# KiCad board GPDI_ULX3S_panel.kicad_pcb (continued)
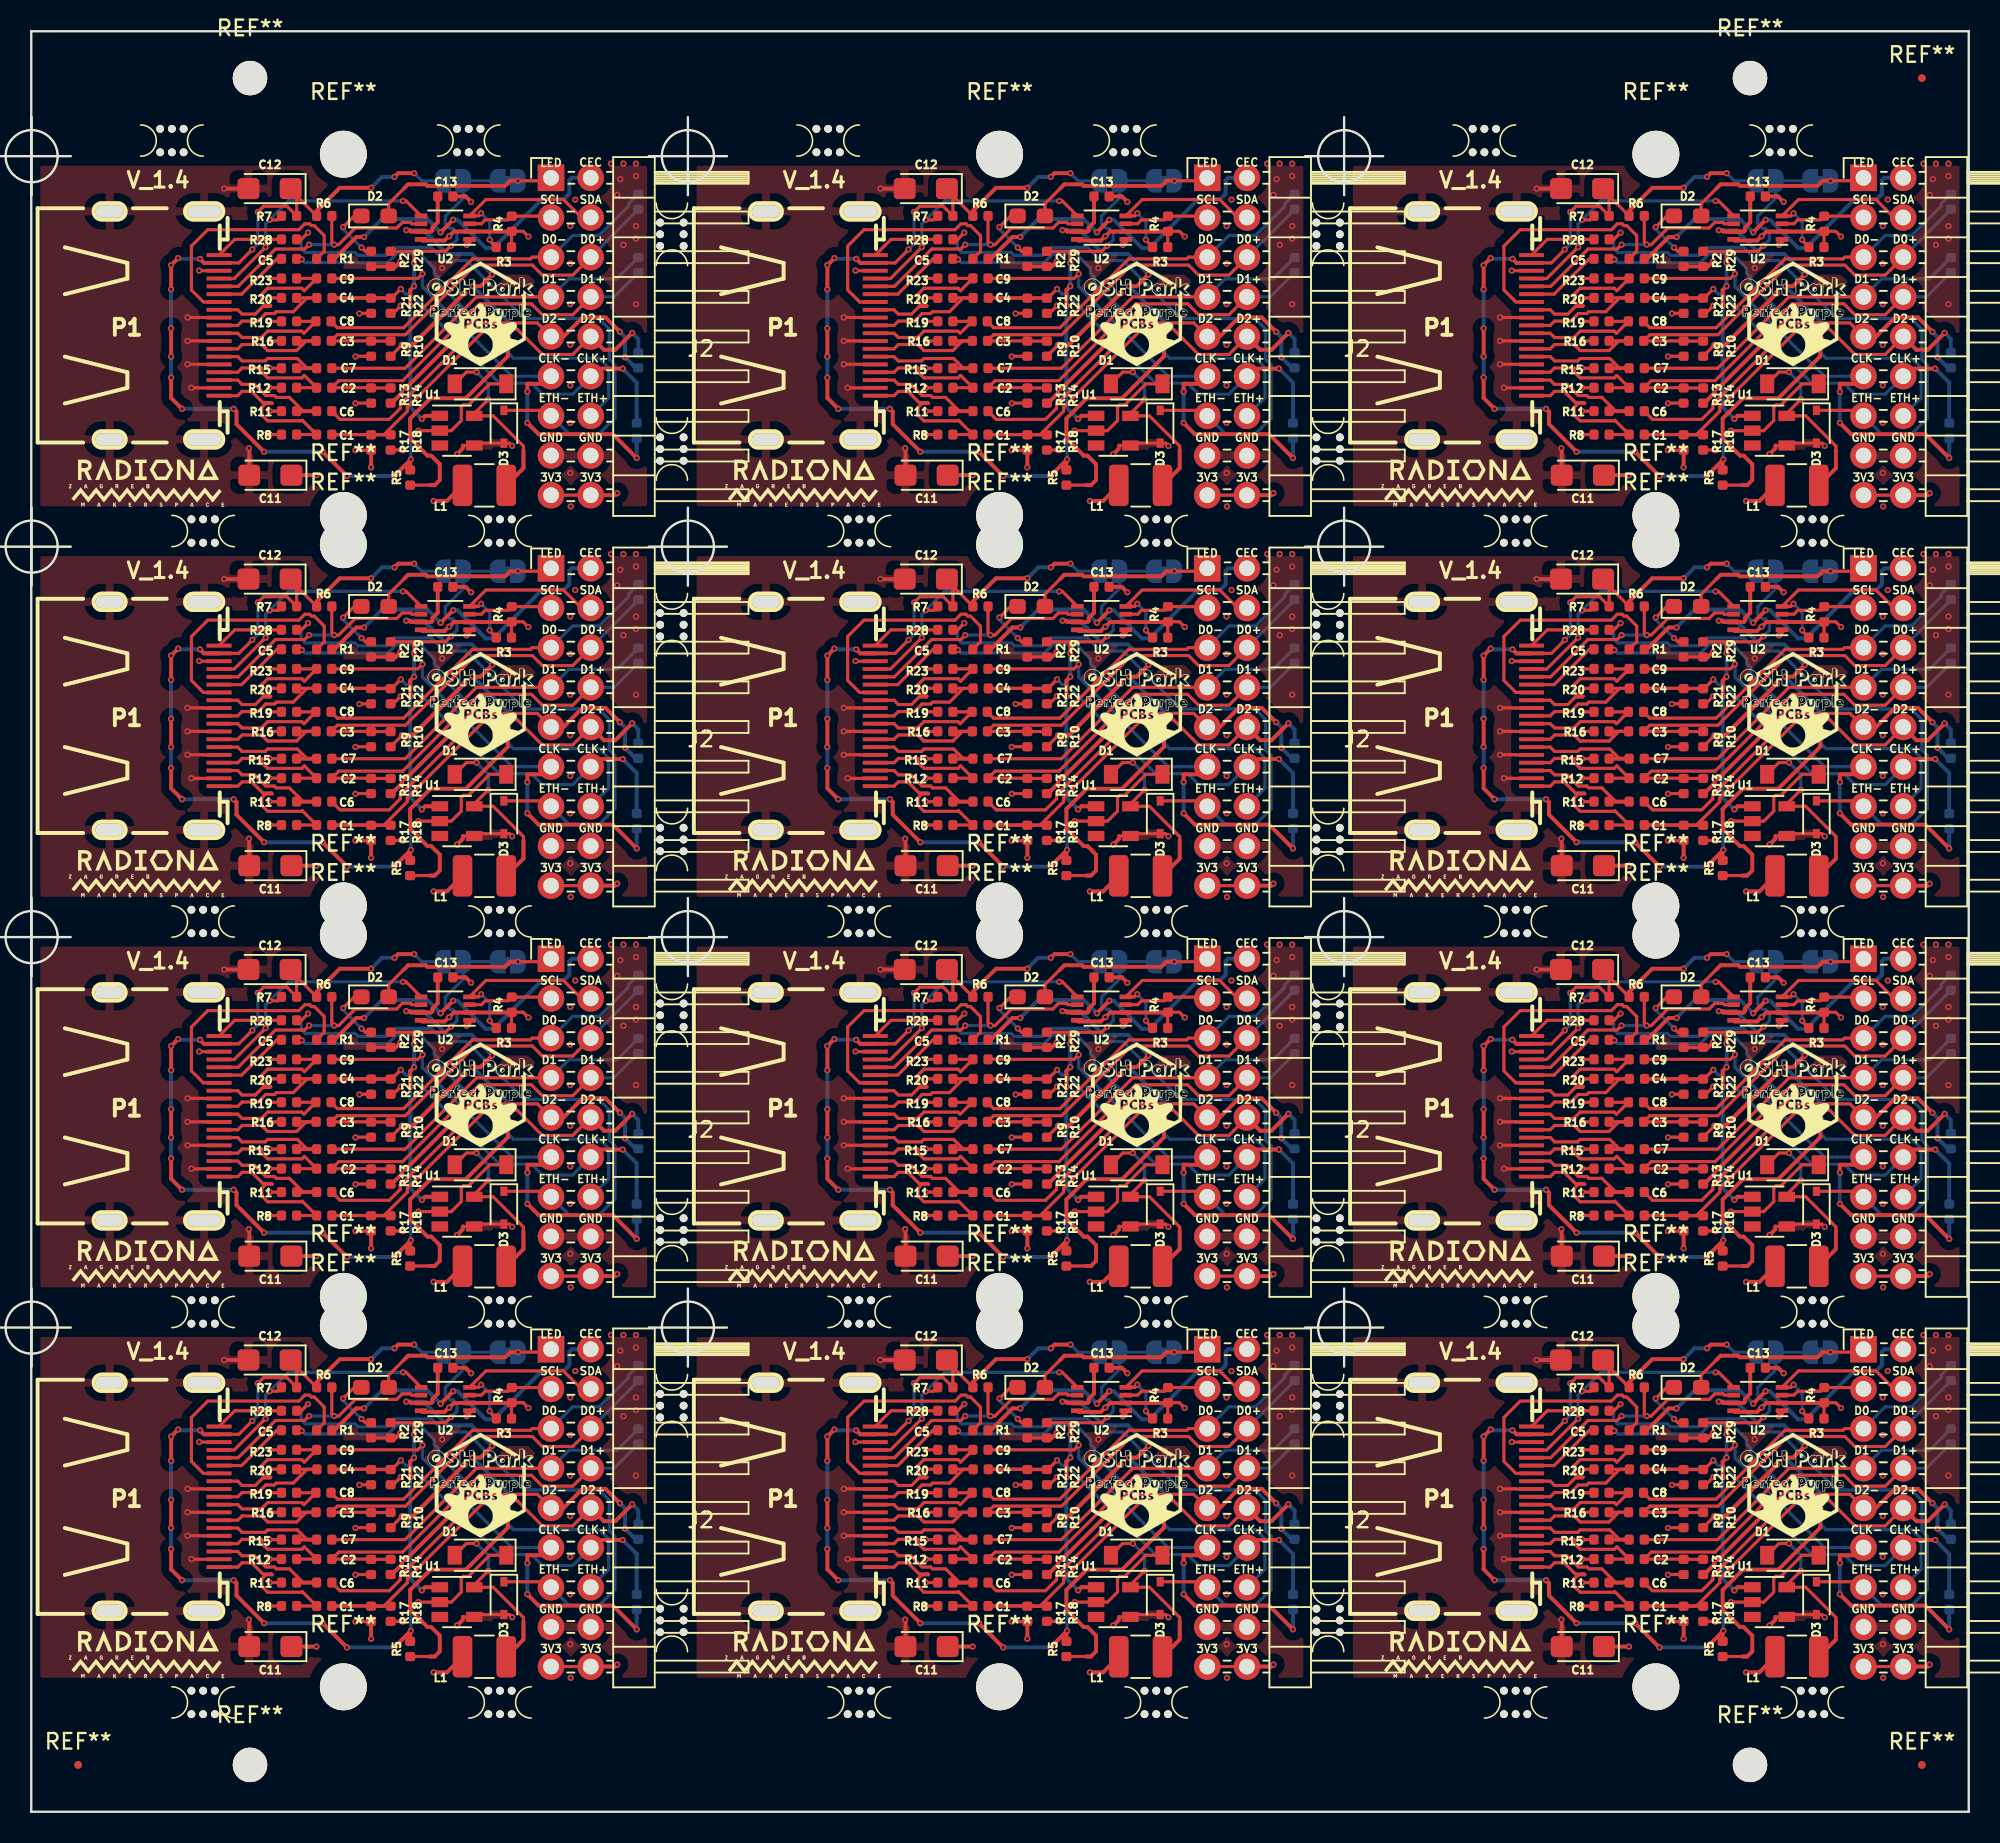
[diagram p0: board, top side]
## Routing (per net, layer and track width the routed paths; a pad name or vN(x,y) marks a point on that pad's centre or on a via; arc(x,y) is an arc through that point) (continued)
PMOD_SCL: length 65.4
  Top w0.2: J2#2.3 75.18,102.16 R4#2.2 72.52,101.93 71.06,101.93 70.81,101.68 U2#2.3 ; J2#3.3 117.18,102.16 R4#3.2 114.52,101.93 113.06,101.93 112.81,101.68 U2#3.3 ; J2#4.3 33.18,77.16 R4#4.2 30.52,76.93 29.06,76.93 28.81,76.68 U2#4.3 ; J2#5.3 75.18,77.16 R4#5.2 72.52,76.93 71.06,76.93 70.81,76.68 U2#5.3 ; J2#6.3 117.18,77.16 R4#6.2 114.52,76.93 113.06,76.93 112.81,76.68 U2#6.3 ; J2#7.3 33.18,52.16 R4#7.2 30.52,51.93 29.06,51.93 28.81,51.68 U2#7.3 ; J2#8.3 75.18,52.16 R4#8.2 72.52,51.93 71.06,51.93 70.81,51.68 U2#8.3 ; J2#9.3 117.18,52.16 R4#9.2 114.52,51.93 113.06,51.93 112.81,51.68 U2#9.3 ; J2#10.3 33.18,27.16 30.75,27.16 30.52,26.93 29.06,26.93 28.81,26.68 U2#10.3 ; J2#11.3 75.18,27.16 72.75,27.16 72.52,26.93 71.06,26.93 70.81,26.68 U2#11.3 ; J2#12.3 117.18,27.16 114.75,27.16 114.52,26.93 113.06,26.93 112.81,26.68 U2#12.3 ; U2.3 28.81,101.68 29.06,101.93 30.52,101.93 R4.2 33.18,102.16 J2.3
PMOD_SDA: length 144.5
  Top w0.2: J2#2.4 77.21,102.07 76.06,103.23 71.1,103.23 U2#2.4 70.62,102.18 v1(70.79,102.34) ; J2#3.4 119.21,102.07 118.06,103.23 113.1,103.23 U2#3.4 112.62,102.18 v1(112.79,102.34) ; J2#4.4 35.21,77.08 34.06,78.23 29.1,78.23 U2#4.4 28.62,77.18 v1(28.79,77.34) ; J2#5.4 77.21,77.08 76.06,78.23 71.1,78.23 U2#5.4 70.62,77.18 v1(70.79,77.34) ; J2#6.4 119.21,77.08 118.06,78.23 113.1,78.23 U2#6.4 112.62,77.18 v1(112.79,77.34) ; J2#7.4 35.21,52.08 34.06,53.23 29.1,53.23 U2#7.4 28.62,52.18 v1(28.79,52.34) ; J2#8.4 77.21,52.08 76.06,53.23 71.1,53.23 U2#8.4 70.62,52.18 v1(70.79,52.34) ; J2#9.4 119.21,52.08 118.06,53.23 113.1,53.23 U2#9.4 112.62,52.18 v1(112.79,52.34) ; J2#10.4 35.21,27.08 34.06,28.23 29.1,28.23 U2#10.4 28.62,27.18 v1(28.79,27.34) ; J2#11.4 77.21,27.08 76.06,28.23 71.1,28.23 U2#11.4 70.62,27.18 v1(70.79,27.34) ; J2#12.4 119.21,27.08 118.06,28.23 113.1,28.23 U2#12.4 112.62,27.18 v1(112.79,27.34) ; v1(71.34,100.65) 71.34,100.6 71.77,100.18 ; v1(113.34,100.65) 113.34,100.6 113.77,100.18 ; v1(29.34,75.65) 29.34,75.6 29.77,75.18 ; v1(71.34,75.65) 71.34,75.6 71.77,75.18 ; v1(113.34,75.65) 113.34,75.6 113.77,75.18 ; v1(29.34,50.65) 29.34,50.6 29.77,50.17 ; v1(71.34,50.65) 71.34,50.6 71.77,50.17 ; v1(113.34,50.65) 113.34,50.6 113.77,50.17 ; v1(29.34,25.65) 29.34,25.6 29.77,25.18 ; v1(71.34,25.65) 71.34,25.6 71.77,25.18 ; v1(113.34,25.65) 113.34,25.6 113.77,25.18 ; v1(29.34,100.65) 29.34,100.6 29.77,100.18 ; v1(28.79,102.34) 28.62,102.18 U2.4 29.1,103.23 34.06,103.23 35.21,102.07 J2.4
  Bottom w0.2: v1(70.79,102.34) 71.34,101.79 v1(71.34,100.65) ; v1(112.79,102.34) 113.34,101.79 v1(113.34,100.65) ; v1(28.79,77.34) 29.34,76.79 v1(29.34,75.65) ; v1(70.79,77.34) 71.34,76.79 v1(71.34,75.65) ; v1(112.79,77.34) 113.34,76.79 v1(113.34,75.65) ; v1(28.79,52.34) 29.34,51.79 v1(29.34,50.65) ; v1(70.79,52.34) 71.34,51.79 v1(71.34,50.65) ; v1(112.79,52.34) 113.34,51.79 v1(113.34,50.65) ; v1(28.79,27.34) 29.34,26.79 v1(29.34,25.65) ; v1(70.79,27.34) 71.34,26.79 v1(71.34,25.65) ; v1(112.79,27.34) 113.34,26.79 v1(113.34,25.65) ; v1(28.79,102.34) 29.34,101.79 v1(29.34,100.65)
Net-(C13-Pad1): length 395.7
  Top w0.2: 67.5,84.94 67.73,84.94 R5#2.2 ; 109.5,84.94 109.73,84.94 R5#3.2 ; 25.5,59.94 25.73,59.94 R5#4.2 ; 67.5,59.94 67.73,59.94 R5#5.2 ; 109.5,59.94 109.73,59.94 R5#6.2 ; 25.5,34.94 25.73,34.94 R5#7.2 ; 67.5,34.94 67.73,34.94 R5#8.2 ; 109.5,34.94 109.73,34.94 R5#9.2 ; 25.5,9.94 25.73,9.94 R5#10.2 ; 67.5,9.94 67.73,9.94 R5#11.2 ; 109.5,9.94 109.73,9.94 R5#12.2 ; R5.2 25.73,84.94 25.5,84.94
  Top w0.25: v1(70.25,97.68) 70.75,97.68 v1(71.5,98.43) ; v1(112.25,97.68) 112.75,97.68 v1(113.5,98.43) ; v1(28.25,72.68) 28.75,72.68 v1(29.5,73.43) ; v1(70.25,72.68) 70.75,72.68 v1(71.5,73.43) ; v1(112.25,72.68) 112.75,72.68 v1(113.5,73.43) ; v1(28.25,47.67) 28.75,47.67 v1(29.5,48.42) ; v1(70.25,47.67) 70.75,47.67 v1(71.5,48.42) ; v1(112.25,47.67) 112.75,47.67 v1(113.5,48.42) ; v1(28.25,22.68) 28.75,22.68 v1(29.5,23.43) ; v1(70.25,22.68) 70.75,22.68 v1(71.5,23.43) ; v1(112.25,22.68) 112.75,22.68 v1(113.5,23.43) ; 67.5,84.94 67.82,84.94 68.15,85.27 68.15,86.28 67.6,86.82 67.36,86.82 66.25,87.93 66.25,89.2 67.55,90.5 69.81,90.5 72.5,93.19 v1(72.5,94.43) ; 109.5,84.94 109.82,84.94 110.15,85.27 110.15,86.28 109.6,86.82 109.36,86.82 108.25,87.93 108.25,89.2 109.55,90.5 111.81,90.5 114.5,93.19 v1(114.5,94.43) ; 25.5,59.94 25.82,59.94 26.15,60.27 26.15,61.28 25.6,61.82 25.36,61.82 24.25,62.93 24.25,64.2 25.55,65.5 27.81,65.5 30.5,68.19 v1(30.5,69.43) ; 67.5,59.94 67.82,59.94 68.15,60.27 68.15,61.28 67.6,61.82 67.36,61.82 66.25,62.93 66.25,64.2 67.55,65.5 69.81,65.5 72.5,68.19 v1(72.5,69.43) ; 109.5,59.94 109.82,59.94 110.15,60.27 110.15,61.28 109.6,61.82 109.36,61.82 108.25,62.93 108.25,64.2 109.55,65.5 111.81,65.5 114.5,68.19 v1(114.5,69.43) ; 25.5,34.94 25.82,34.94 26.15,35.27 26.15,36.28 25.6,36.82 25.36,36.82 24.25,37.93 24.25,39.2 25.55,40.5 27.81,40.5 30.5,43.19 v1(30.5,44.42) ; 67.5,34.94 67.82,34.94 68.15,35.27 68.15,36.28 67.6,36.82 67.36,36.82 66.25,37.93 66.25,39.2 67.55,40.5 69.81,40.5 72.5,43.19 v1(72.5,44.42) ; 109.5,34.94 109.82,34.94 110.15,35.27 110.15,36.28 109.6,36.82 109.36,36.82 108.25,37.93 108.25,39.2 109.55,40.5 111.81,40.5 114.5,43.19 v1(114.5,44.42) ; 25.5,9.94 25.82,9.94 26.15,10.27 26.15,11.28 25.6,11.82 25.36,11.82 24.25,12.93 24.25,14.2 25.55,15.5 27.81,15.5 30.5,18.19 v1(30.5,19.43) ; 67.5,9.94 67.82,9.94 68.15,10.27 68.15,11.28 67.6,11.82 67.36,11.82 66.25,12.93 66.25,14.2 67.55,15.5 69.81,15.5 72.5,18.19 v1(72.5,19.43) ; 109.5,9.94 109.82,9.94 110.15,10.27 110.15,11.28 109.6,11.82 109.36,11.82 108.25,12.93 108.25,14.2 109.55,15.5 111.81,15.5 114.5,18.19 v1(114.5,19.43) ; C13#2.1 68.02,101.77 67.67,101.43 67.67,101.25 67.6,101.18 U2#2.7 66.3,101.18 66.22,101.26 v1(66,101.26) ; C13#3.1 110.02,101.77 109.67,101.43 109.67,101.25 109.6,101.18 U2#3.7 108.3,101.18 108.22,101.26 v1(108,101.26) ; C13#4.1 26.02,76.77 25.67,76.43 25.67,76.25 25.6,76.18 U2#4.7 24.3,76.18 24.22,76.26 v1(24,76.26) ; C13#5.1 68.02,76.77 67.67,76.43 67.67,76.25 67.6,76.18 U2#5.7 66.3,76.18 66.22,76.26 v1(66,76.26) ; C13#6.1 110.02,76.77 109.67,76.43 109.67,76.25 109.6,76.18 U2#6.7 108.3,76.18 108.22,76.26 v1(108,76.26) ; C13#7.1 26.02,51.77 25.67,51.43 25.67,51.25 25.6,51.17 U2#7.7 24.3,51.17 24.22,51.26 v1(24,51.26) ; C13#8.1 68.02,51.77 67.67,51.43 67.67,51.25 67.6,51.17 U2#8.7 66.3,51.17 66.22,51.26 v1(66,51.26) ; C13#9.1 110.02,51.77 109.67,51.43 109.67,51.25 109.6,51.17 U2#9.7 108.3,51.17 108.22,51.26 v1(108,51.26) ; C13#10.1 26.02,26.77 25.67,26.43 25.67,26.25 25.6,26.18 U2#10.7 24.3,26.18 24.22,26.26 v1(24,26.26) ; C13#11.1 68.02,26.77 67.67,26.43 67.67,26.25 67.6,26.18 U2#11.7 66.3,26.18 66.22,26.26 v1(66,26.26) ; C13#12.1 110.02,26.77 109.67,26.43 109.67,26.25 109.6,26.18 U2#12.7 108.3,26.18 108.22,26.26 v1(108,26.26) ; v1(29.5,98.43) 28.75,97.68 v1(28.25,97.68) ; C13.1 26.02,101.77 25.67,101.43 25.67,101.25 25.6,101.18 U2.7 24.3,101.18 24.22,101.26 v1(24,101.26) ; v1(30.5,94.43) 30.5,93.19 27.81,90.5 25.55,90.5 24.25,89.2 24.25,87.93 25.36,86.82 25.6,86.82 26.15,86.28 26.15,85.27 25.82,84.94 25.5,84.94
  Bottom w0.25: v1(71.5,98.43) 70.18,99.74 68.62,99.74 67.11,101.26 v1(66,101.26) ; v1(113.5,98.43) 112.18,99.74 110.62,99.74 109.11,101.26 v1(108,101.26) ; v1(29.5,73.43) 28.18,74.74 26.62,74.74 25.11,76.26 v1(24,76.26) ; v1(71.5,73.43) 70.18,74.74 68.62,74.74 67.11,76.26 v1(66,76.26) ; v1(113.5,73.43) 112.18,74.74 110.62,74.74 109.11,76.26 v1(108,76.26) ; v1(29.5,48.42) 28.18,49.74 26.62,49.74 25.11,51.26 v1(24,51.26) ; v1(71.5,48.42) 70.18,49.74 68.62,49.74 67.11,51.26 v1(66,51.26) ; v1(113.5,48.42) 112.18,49.74 110.62,49.74 109.11,51.26 v1(108,51.26) ; v1(29.5,23.43) 28.18,24.74 26.62,24.74 25.11,26.26 v1(24,26.26) ; v1(71.5,23.43) 70.18,24.74 68.62,24.74 67.11,26.26 v1(66,26.26) ; v1(113.5,23.43) 112.18,24.74 110.62,24.74 109.11,26.26 v1(108,26.26) ; v1(70.25,97.68) 72.5,95.43 v1(72.5,94.43) ; v1(112.25,97.68) 114.5,95.43 v1(114.5,94.43) ; v1(28.25,72.68) 30.5,70.43 v1(30.5,69.43) ; v1(70.25,72.68) 72.5,70.43 v1(72.5,69.43) ; v1(112.25,72.68) 114.5,70.43 v1(114.5,69.43) ; v1(28.25,47.67) 30.5,45.42 v1(30.5,44.42) ; v1(70.25,47.67) 72.5,45.42 v1(72.5,44.42) ; v1(112.25,47.67) 114.5,45.42 v1(114.5,44.42) ; v1(28.25,22.68) 30.5,20.43 v1(30.5,19.43) ; v1(70.25,22.68) 72.5,20.43 v1(72.5,19.43) ; v1(112.25,22.68) 114.5,20.43 v1(114.5,19.43) ; v1(30.5,94.43) 30.5,95.43 v1(28.25,97.68) ; v1(24,101.26) 25.11,101.26 26.62,99.74 28.18,99.74 v1(29.5,98.43)
Net-(D1-Pad2): length 159.2
  Top w0.2: D1#2.2 69.85,92.18 v1(70.5,92.18) ; D1#3.2 111.85,92.18 v1(112.5,92.18) ; D1#4.2 27.85,67.18 v1(28.5,67.18) ; D1#5.2 69.85,67.18 v1(70.5,67.18) ; D1#6.2 111.85,67.18 v1(112.5,67.18) ; D1#7.2 27.85,42.17 v1(28.5,42.17) ; D1#8.2 69.85,42.17 v1(70.5,42.17) ; D1#9.2 111.85,42.17 v1(112.5,42.17) ; D1#10.2 27.85,17.18 v1(28.5,17.18) ; D1#11.2 69.85,17.18 v1(70.5,17.18) ; D1#12.2 111.85,17.18 v1(112.5,17.18) ; 72.4,84.68 72.4,85.82 ; 114.4,84.68 114.4,85.82 ; 30.4,59.68 30.4,60.83 ; 72.4,59.68 72.4,60.83 ; 114.4,59.68 114.4,60.83 ; 30.4,34.67 30.4,35.83 ; 72.4,34.67 72.4,35.83 ; 114.4,34.67 114.4,35.83 ; 30.4,9.68 30.4,10.83 ; 72.4,9.68 72.4,10.83 ; 114.4,9.68 114.4,10.83 ; v1(71.25,90.43) 70.35,89.53 U1#2.5 71.57,89.38 73.5,87.44 73.5,87.18 ; v1(113.25,90.43) 112.35,89.53 U1#3.5 113.57,89.38 115.5,87.44 115.5,87.18 ; v1(29.25,65.43) 28.35,64.53 U1#4.5 29.57,64.38 31.5,62.44 31.5,62.18 ; v1(71.25,65.43) 70.35,64.53 U1#5.5 71.57,64.38 73.5,62.44 73.5,62.18 ; v1(113.25,65.43) 112.35,64.53 U1#6.5 113.57,64.38 115.5,62.44 115.5,62.18 ; v1(29.25,40.42) 28.35,39.53 U1#7.5 29.57,39.38 31.5,37.44 31.5,37.17 ; v1(71.25,40.42) 70.35,39.53 U1#8.5 71.57,39.38 73.5,37.44 73.5,37.17 ; v1(113.25,40.42) 112.35,39.53 U1#9.5 113.57,39.38 115.5,37.44 115.5,37.17 ; v1(29.25,15.43) 28.35,14.53 U1#10.5 29.57,14.38 31.5,12.44 31.5,12.18 ; v1(71.25,15.43) 70.35,14.53 U1#11.5 71.57,14.38 73.5,12.44 73.5,12.18 ; v1(113.25,15.43) 112.35,14.53 U1#12.5 113.57,14.38 115.5,12.44 115.5,12.18 ; v1(28.5,92.18) 27.85,92.18 D1.2 ; 31.5,87.18 31.5,87.44 29.57,89.38 U1.5 28.35,89.53 v1(29.25,90.43) ; 30.4,84.68 30.4,85.82
  Top w0.25: L1#2.2 73.5,86.03 73.5,87.18 ; L1#3.2 115.5,86.03 115.5,87.18 ; L1#4.2 31.5,61.02 31.5,62.18 ; L1#5.2 73.5,61.02 73.5,62.18 ; L1#6.2 115.5,61.02 115.5,62.18 ; L1#7.2 31.5,36.03 31.5,37.17 ; L1#8.2 73.5,36.03 73.5,37.17 ; L1#9.2 115.5,36.03 115.5,37.17 ; L1#10.2 31.5,11.03 31.5,12.18 ; L1#11.2 73.5,11.03 73.5,12.18 ; L1#12.2 115.5,11.03 115.5,12.18 ; 31.5,87.18 31.5,86.03 L1.2
  Bottom w0.2: v1(70.5,92.18) 71.25,91.43 v1(71.25,90.43) ; v1(112.5,92.18) 113.25,91.43 v1(113.25,90.43) ; v1(28.5,67.18) 29.25,66.43 v1(29.25,65.43) ; v1(70.5,67.18) 71.25,66.43 v1(71.25,65.43) ; v1(112.5,67.18) 113.25,66.43 v1(113.25,65.43) ; v1(28.5,42.17) 29.25,41.42 v1(29.25,40.42) ; v1(70.5,42.17) 71.25,41.42 v1(71.25,40.42) ; v1(112.5,42.17) 113.25,41.42 v1(113.25,40.42) ; v1(28.5,17.18) 29.25,16.43 v1(29.25,15.43) ; v1(70.5,17.18) 71.25,16.43 v1(71.25,15.43) ; v1(112.5,17.18) 113.25,16.43 v1(113.25,15.43) ; v1(29.25,90.43) 29.25,91.43 v1(28.5,92.18)
Net-(D2-Pad1): length 47.6
  Top w0.2: R2#2.1 63.38,99.91 v1(63.14,100.15) ; R2#3.1 105.38,99.91 v1(105.14,100.15) ; R2#4.1 21.38,74.91 v1(21.14,75.15) ; R2#5.1 63.38,74.91 v1(63.14,75.15) ; R2#6.1 105.38,74.91 v1(105.14,75.15) ; R2#7.1 21.38,49.91 v1(21.14,50.15) ; R2#8.1 63.38,49.91 v1(63.14,50.15) ; R2#9.1 105.38,49.91 v1(105.14,50.15) ; R2#10.1 21.38,24.91 v1(21.14,25.15) ; R2#11.1 63.38,24.91 v1(63.14,25.15) ; R2#12.1 105.38,24.91 v1(105.14,25.15) ; D2#2.1 62.68,102.18 v1(61.96,101.46) ; D2#3.1 104.68,102.18 v1(103.96,101.46) ; D2#4.1 20.68,77.18 v1(19.96,76.46) ; D2#5.1 62.68,77.18 v1(61.96,76.46) ; D2#6.1 104.68,77.18 v1(103.96,76.46) ; D2#7.1 20.68,52.18 v1(19.96,51.46) ; D2#8.1 62.68,52.18 v1(61.96,51.46) ; D2#9.1 104.68,52.18 v1(103.96,51.46) ; D2#10.1 20.68,27.18 v1(19.96,26.46) ; D2#11.1 62.68,27.18 v1(61.96,26.46) ; D2#12.1 104.68,27.18 v1(103.96,26.46) ; v1(19.96,101.46) 20.68,102.18 D2.1 ; v1(21.14,100.15) 21.38,99.91 R2.1
  Bottom w0.2: v1(63.14,100.15) 61.96,101.33 v1(61.96,101.46) ; v1(105.14,100.15) 103.96,101.33 v1(103.96,101.46) ; v1(21.14,75.15) 19.96,76.33 v1(19.96,76.46) ; v1(63.14,75.15) 61.96,76.33 v1(61.96,76.46) ; v1(105.14,75.15) 103.96,76.33 v1(103.96,76.46) ; v1(21.14,50.15) 19.96,51.33 v1(19.96,51.46) ; v1(63.14,50.15) 61.96,51.33 v1(61.96,51.46) ; v1(105.14,50.15) 103.96,51.33 v1(103.96,51.46) ; v1(21.14,25.15) 19.96,26.33 v1(19.96,26.46) ; v1(63.14,25.15) 61.96,26.33 v1(61.96,26.46) ; v1(105.14,25.15) 103.96,26.33 v1(103.96,26.46) ; v1(21.14,100.15) 19.96,101.33 v1(19.96,101.46)
Net-(JP1-Pad2): length 285.7
  Top w0.2: R29#2.1 68.51,99.91 v1(68.87,100.27) ; R29#3.1 110.51,99.91 v1(110.87,100.27) ; R29#4.1 26.51,74.91 v1(26.87,75.27) ; R29#5.1 68.51,74.91 v1(68.87,75.27) ; R29#6.1 110.51,74.91 v1(110.87,75.27) ; R29#7.1 26.51,49.91 v1(26.87,50.27) ; R29#8.1 68.51,49.91 v1(68.87,50.27) ; R29#9.1 110.51,49.91 v1(110.87,50.27) ; R29#10.1 26.51,24.91 v1(26.87,25.27) ; R29#11.1 68.51,24.91 v1(68.87,25.27) ; R29#12.1 110.51,24.91 v1(110.87,25.27) ; R29.1 26.51,99.91 v1(26.87,100.27)
  Top w0.25: v1(66.5,99.18) 66.5,99.9 66.52,99.91 ; v1(108.5,99.18) 108.5,99.9 108.52,99.91 ; v1(24.5,74.18) 24.5,74.9 24.52,74.91 ; v1(66.5,74.18) 66.5,74.9 66.52,74.91 ; v1(108.5,74.18) 108.5,74.9 108.52,74.91 ; v1(24.5,49.17) 24.5,49.9 24.52,49.91 ; v1(66.5,49.17) 66.5,49.9 66.52,49.91 ; v1(108.5,49.17) 108.5,49.9 108.52,49.91 ; v1(24.5,24.18) 24.5,24.9 24.52,24.91 ; v1(66.5,24.18) 66.5,24.9 66.52,24.91 ; v1(108.5,24.18) 108.5,24.9 108.52,24.91 ; v1(66.5,97.68) 66.25,97.43 v1(66.25,96.43) ; v1(108.5,97.68) 108.25,97.43 v1(108.25,96.43) ; v1(24.5,72.68) 24.25,72.43 v1(24.25,71.43) ; v1(66.5,72.68) 66.25,72.43 v1(66.25,71.43) ; v1(108.5,72.68) 108.25,72.43 v1(108.25,71.43) ; v1(24.5,47.67) 24.25,47.42 v1(24.25,46.42) ; v1(66.5,47.67) 66.25,47.42 v1(66.25,46.42) ; v1(108.5,47.67) 108.25,47.42 v1(108.25,46.42) ; v1(24.5,22.68) 24.25,22.43 v1(24.25,21.43) ; v1(66.5,22.68) 66.25,22.43 v1(66.25,21.43) ; v1(108.5,22.68) 108.25,22.43 v1(108.25,21.43) ; U1#2.1 67.2,89.38 v1(67,89.18) ; U1#3.1 109.2,89.38 v1(109,89.18) ; U1#4.1 25.2,64.38 v1(25,64.18) ; U1#5.1 67.2,64.38 v1(67,64.18) ; U1#6.1 109.2,64.38 v1(109,64.18) ; U1#7.1 25.2,39.38 v1(25,39.17) ; U1#8.1 67.2,39.38 v1(67,39.17) ; U1#9.1 109.2,39.38 v1(109,39.17) ; U1#10.1 25.2,14.38 v1(25,14.18) ; U1#11.1 67.2,14.38 v1(67,14.18) ; U1#12.1 109.2,14.38 v1(109,14.18) ; v1(24.5,97.68) 24.25,97.43 v1(24.25,96.43) ; U1.1 25.2,89.38 v1(25,89.18) ; v1(24.5,99.18) 24.5,99.9 24.52,99.91
  Bottom w0.2: v1(68.87,100.27) 69.25,100.65 69.25,101.12 68.99,101.38 68.81,101.38 68.5,101.68 68.5,102.17 69.65,103.32 JP2#2.2 JP1#2.2 ; v1(110.87,100.27) 111.25,100.65 111.25,101.12 110.99,101.38 110.81,101.38 110.5,101.68 110.5,102.17 111.65,103.32 JP2#3.2 JP1#3.2 ; v1(26.87,75.27) 27.25,75.65 27.25,76.12 26.99,76.38 26.81,76.38 26.5,76.68 26.5,77.17 27.65,78.32 JP2#4.2 JP1#4.2 ; v1(68.87,75.27) 69.25,75.65 69.25,76.12 68.99,76.38 68.81,76.38 68.5,76.68 68.5,77.17 69.65,78.32 JP2#5.2 JP1#5.2 ; v1(110.87,75.27) 111.25,75.65 111.25,76.12 110.99,76.38 110.81,76.38 110.5,76.68 110.5,77.17 111.65,78.32 JP2#6.2 JP1#6.2 ; v1(26.87,50.27) 27.25,50.65 27.25,51.12 26.99,51.38 26.81,51.38 26.5,51.68 26.5,52.17 27.65,53.32 JP2#7.2 JP1#7.2 ; v1(68.87,50.27) 69.25,50.65 69.25,51.12 68.99,51.38 68.81,51.38 68.5,51.68 68.5,52.17 69.65,53.32 JP2#8.2 JP1#8.2 ; v1(110.87,50.27) 111.25,50.65 111.25,51.12 110.99,51.38 110.81,51.38 110.5,51.68 110.5,52.17 111.65,53.32 JP2#9.2 JP1#9.2 ; v1(26.87,25.27) 27.25,25.65 27.25,26.12 26.99,26.38 26.81,26.38 26.5,26.68 26.5,27.17 27.65,28.32 JP2#10.2 JP1#10.2 ; v1(68.87,25.27) 69.25,25.65 69.25,26.12 68.99,26.38 68.81,26.38 68.5,26.68 68.5,27.17 69.65,28.32 JP2#11.2 JP1#11.2 ; v1(110.87,25.27) 111.25,25.65 111.25,26.12 110.99,26.38 110.81,26.38 110.5,26.68 110.5,27.17 111.65,28.32 JP2#12.2 JP1#12.2 ; v1(26.87,100.27) 27.25,100.65 27.25,101.12 26.99,101.38 26.81,101.38 26.5,101.68 26.5,102.17 27.65,103.32 JP2.2 JP1.2
  Bottom w0.25: v1(66.25,96.43) 66.25,89.93 v1(67,89.18) ; v1(108.25,96.43) 108.25,89.93 v1(109,89.18) ; v1(24.25,71.43) 24.25,64.93 v1(25,64.18) ; v1(66.25,71.43) 66.25,64.93 v1(67,64.18) ; v1(108.25,71.43) 108.25,64.93 v1(109,64.18) ; v1(24.25,46.42) 24.25,39.92 v1(25,39.17) ; v1(66.25,46.42) 66.25,39.92 v1(67,39.17) ; v1(108.25,46.42) 108.25,39.92 v1(109,39.17) ; v1(24.25,21.43) 24.25,14.93 v1(25,14.18) ; v1(66.25,21.43) 66.25,14.93 v1(67,14.18) ; v1(108.25,21.43) 108.25,14.93 v1(109,14.18) ; v1(66.5,97.68) v1(66.5,99.18) ; v1(108.5,97.68) v1(108.5,99.18) ; v1(24.5,72.68) v1(24.5,74.18) ; v1(66.5,72.68) v1(66.5,74.18) ; v1(108.5,72.68) v1(108.5,74.18) ; v1(24.5,47.67) v1(24.5,49.17) ; v1(66.5,47.67) v1(66.5,49.17) ; v1(108.5,47.67) v1(108.5,49.17) ; v1(24.5,22.68) v1(24.5,24.18) ; v1(66.5,22.68) v1(66.5,24.18) ; v1(108.5,22.68) v1(108.5,24.18) ; v1(24.5,97.68) v1(24.5,99.18) ; v1(25,89.18) 24.25,89.93 v1(24.25,96.43)

## Copper pours and planes (outline as drawn; the poured copper is in the pictures)
+3V3 on VCC.Cu: 123.98,7.9 84.25,8.1 84.05,31 123.77,30.95
+3V3 on VCC.Cu: 81.98,7.9 42.25,8.1 42.05,31 81.77,30.95
+3V3 on VCC.Cu: 39.98,7.9 0.25,8.1 0.05,31 39.77,30.95
+3V3 on VCC.Cu: 123.98,32.9 84.25,33.1 84.05,56 123.77,55.95
+3V3 on VCC.Cu: 81.98,32.9 42.25,33.1 42.05,56 81.77,55.95
+3V3 on VCC.Cu: 39.98,32.9 0.25,33.1 0.05,56 39.77,55.95
+3V3 on VCC.Cu: 123.98,57.9 84.25,58.1 84.05,81 123.77,80.95
+3V3 on VCC.Cu: 81.98,57.9 42.25,58.1 42.05,81 81.77,80.95
+3V3 on VCC.Cu: 39.98,57.9 0.25,58.1 0.05,81 39.77,80.95
+3V3 on VCC.Cu: 123.98,82.9 84.25,83.1 84.05,106 123.77,105.95
+3V3 on VCC.Cu: 81.98,82.9 42.25,83.1 42.05,106 81.77,105.95
+3V3 on VCC.Cu: 39.98,82.9 0.25,83.1 0.05,106 39.77,105.95
GND on Top: 123.95,8 84,8 84,31 124,31
GND on Top: 81.95,8 42,8 42,31 82,31
GND on Top: 39.95,8 0,8 0,31 40,31
GND on Top: 123.95,33 84,33 84,56 124,56
GND on Top: 81.95,33 42,33 42,56 82,56
GND on Top: 39.95,33 0,33 0,56 40,56
GND on Top: 123.95,58 84,58 84,81 124,81
GND on Top: 81.95,58 42,58 42,81 82,81
GND on Top: 39.95,58 0,58 0,81 40,81
GND on Top: 123.95,83 84,83 84,106 124,106
GND on Top: 81.95,83 42,83 42,106 82,106
GND on Top: 39.95,83 0,83 0,106 40,106
GND on Bottom: 123.87,7.91 84.17,8.05 84.02,31.03 123.73,30.99
GND on Bottom: 81.87,7.91 42.17,8.05 42.02,31.03 81.73,30.99
GND on Bottom: 39.87,7.91 0.17,8.05 0.02,31.03 39.73,30.99
GND on Bottom: 123.87,32.91 84.17,33.05 84.02,56.02 123.73,55.99
GND on Bottom: 81.87,32.91 42.17,33.05 42.02,56.02 81.73,55.99
GND on Bottom: 39.87,32.91 0.17,33.05 0.02,56.02 39.73,55.99
GND on Bottom: 123.87,57.91 84.17,58.05 84.02,81.03 123.73,80.99
GND on Bottom: 81.87,57.91 42.17,58.05 42.02,81.03 81.73,80.99
GND on Bottom: 39.87,57.91 0.17,58.05 0.02,81.03 39.73,80.99
GND on Bottom: 123.87,82.91 84.17,83.05 84.02,106.03 123.73,105.99
GND on Bottom: 81.87,82.91 42.17,83.05 42.02,106.03 81.73,105.99
GND on Bottom: 39.87,82.91 0.17,83.05 0.02,106.03 39.73,105.99
GND on GND.Cu: 123.8,7.91 84.02,8.08 84.02,31 123.85,30.99
GND on GND.Cu: 81.8,7.91 42.02,8.08 42.02,31 81.85,30.99
GND on GND.Cu: 39.8,7.91 0.02,8.08 0.02,31 39.85,30.99
GND on GND.Cu: 123.8,32.91 84.02,33.08 84.02,56 123.85,55.99
GND on GND.Cu: 81.8,32.91 42.02,33.08 42.02,56 81.85,55.99
GND on GND.Cu: 39.8,32.91 0.02,33.08 0.02,56 39.85,55.99
GND on GND.Cu: 123.8,57.91 84.02,58.08 84.02,81 123.85,80.99
GND on GND.Cu: 81.8,57.91 42.02,58.08 42.02,81 81.85,80.99
GND on GND.Cu: 39.8,57.91 0.02,58.08 0.02,81 39.85,80.99
GND on GND.Cu: 123.8,82.91 84.02,83.08 84.02,106 123.85,105.99
GND on GND.Cu: 81.8,82.91 42.02,83.08 42.02,106 81.85,105.99
GND on GND.Cu: 39.8,82.91 0.02,83.08 0.02,106 39.85,105.99

## Text on the board
B.SilkS: LED | SCL | GND | 3V3 | D0- | D1- | D2- | CLK- | ETH- | CEC | SDA | D0+ | D1+ | D2+ | CLK+ | ETH+
F.SilkS: LED | SCL | GND | 3V3 | D0- | D1- | D2- | CLK- | ETH- | CEC | SDA | D0+ | D1+ | D2+ | CLK+ | ETH+ | V_1.4
